# Altium PCB CORE_BOARD.PcbDoc (part 1 of 2)
Units mil, origin at the board's own origin, x right, y up, seen from the top; angles counter-clockwise.
Board outline 2283.74 x 2984.53 mil, 4 copper layers (Top Layer, PWR02, GND03, Bottom Layer), stack 23.756 mil thick; 79 components, 108 nets, 397 pads, 203 vias.
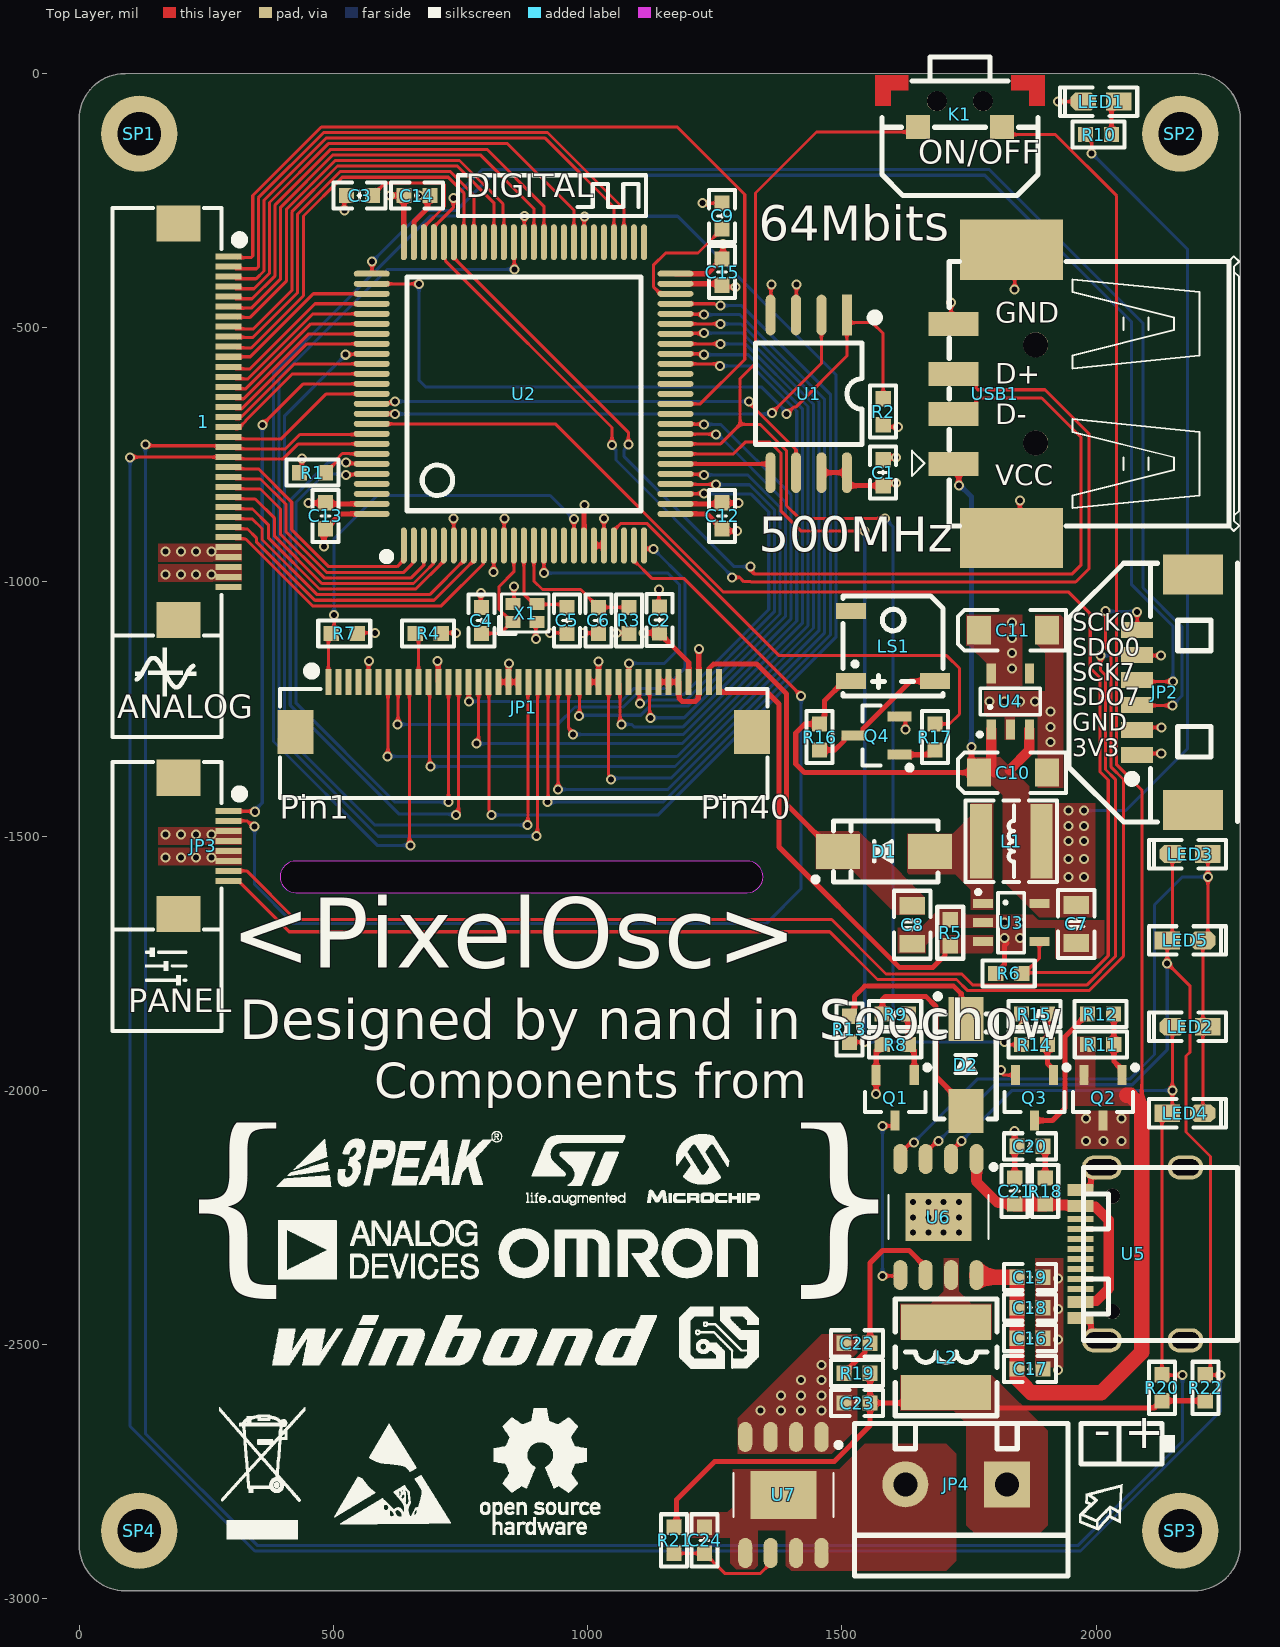
[diagram p0: Top Layer view]
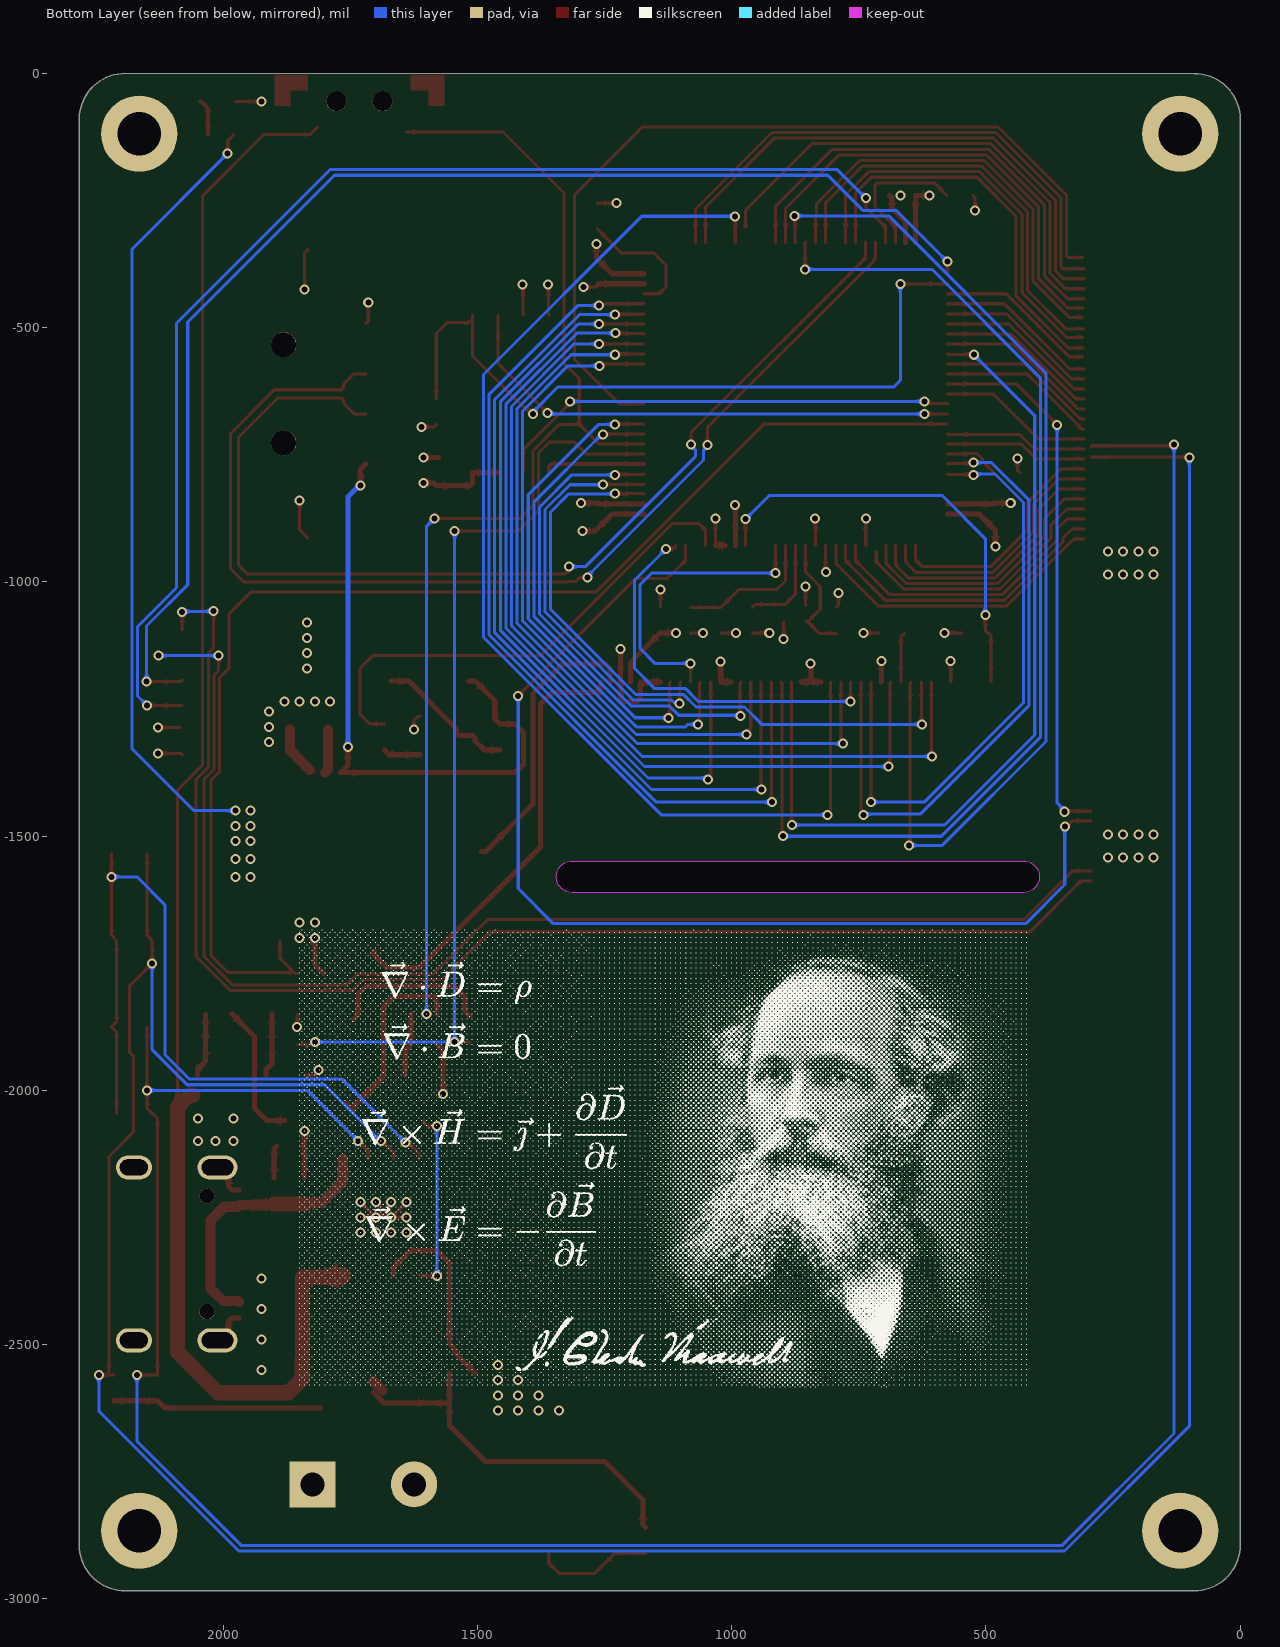
[diagram p1: Bottom Layer view, seen from below]
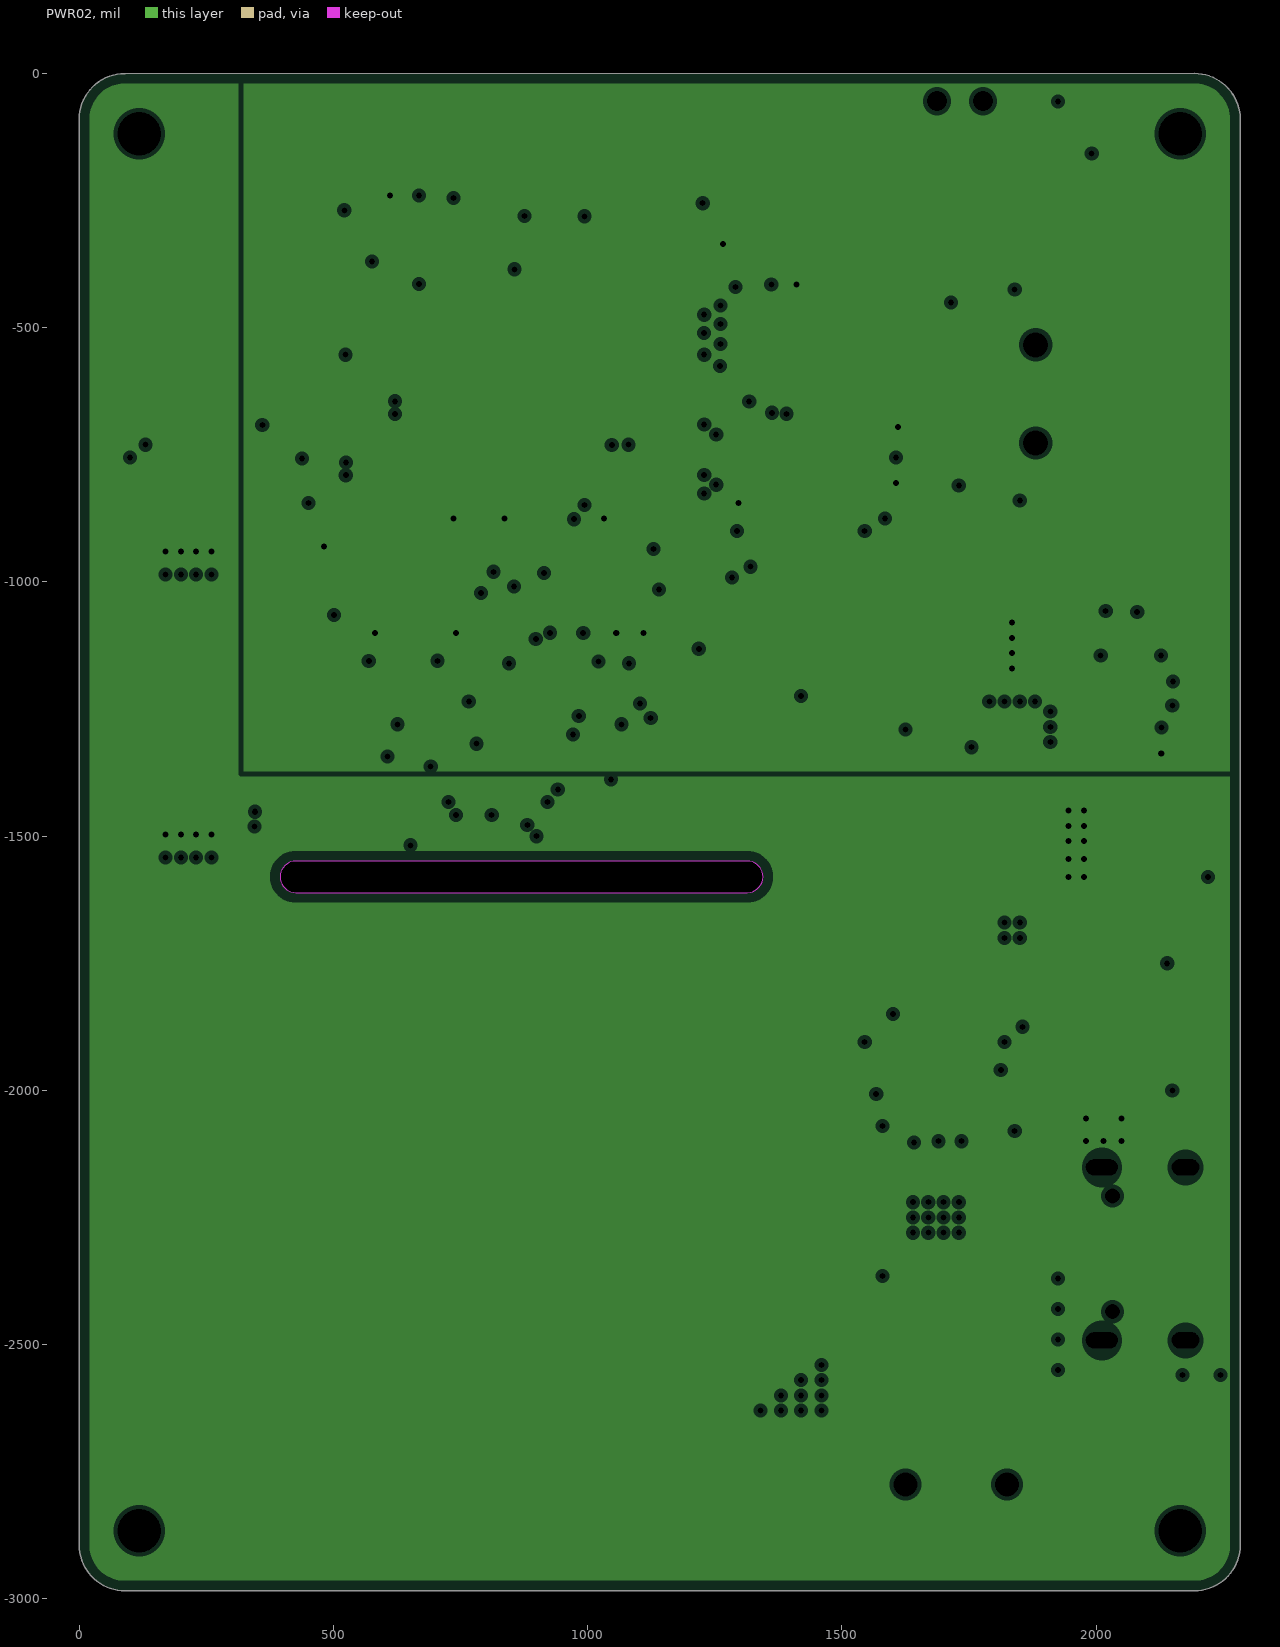
[diagram p2: PWR02, clearances drawn from the general rule]
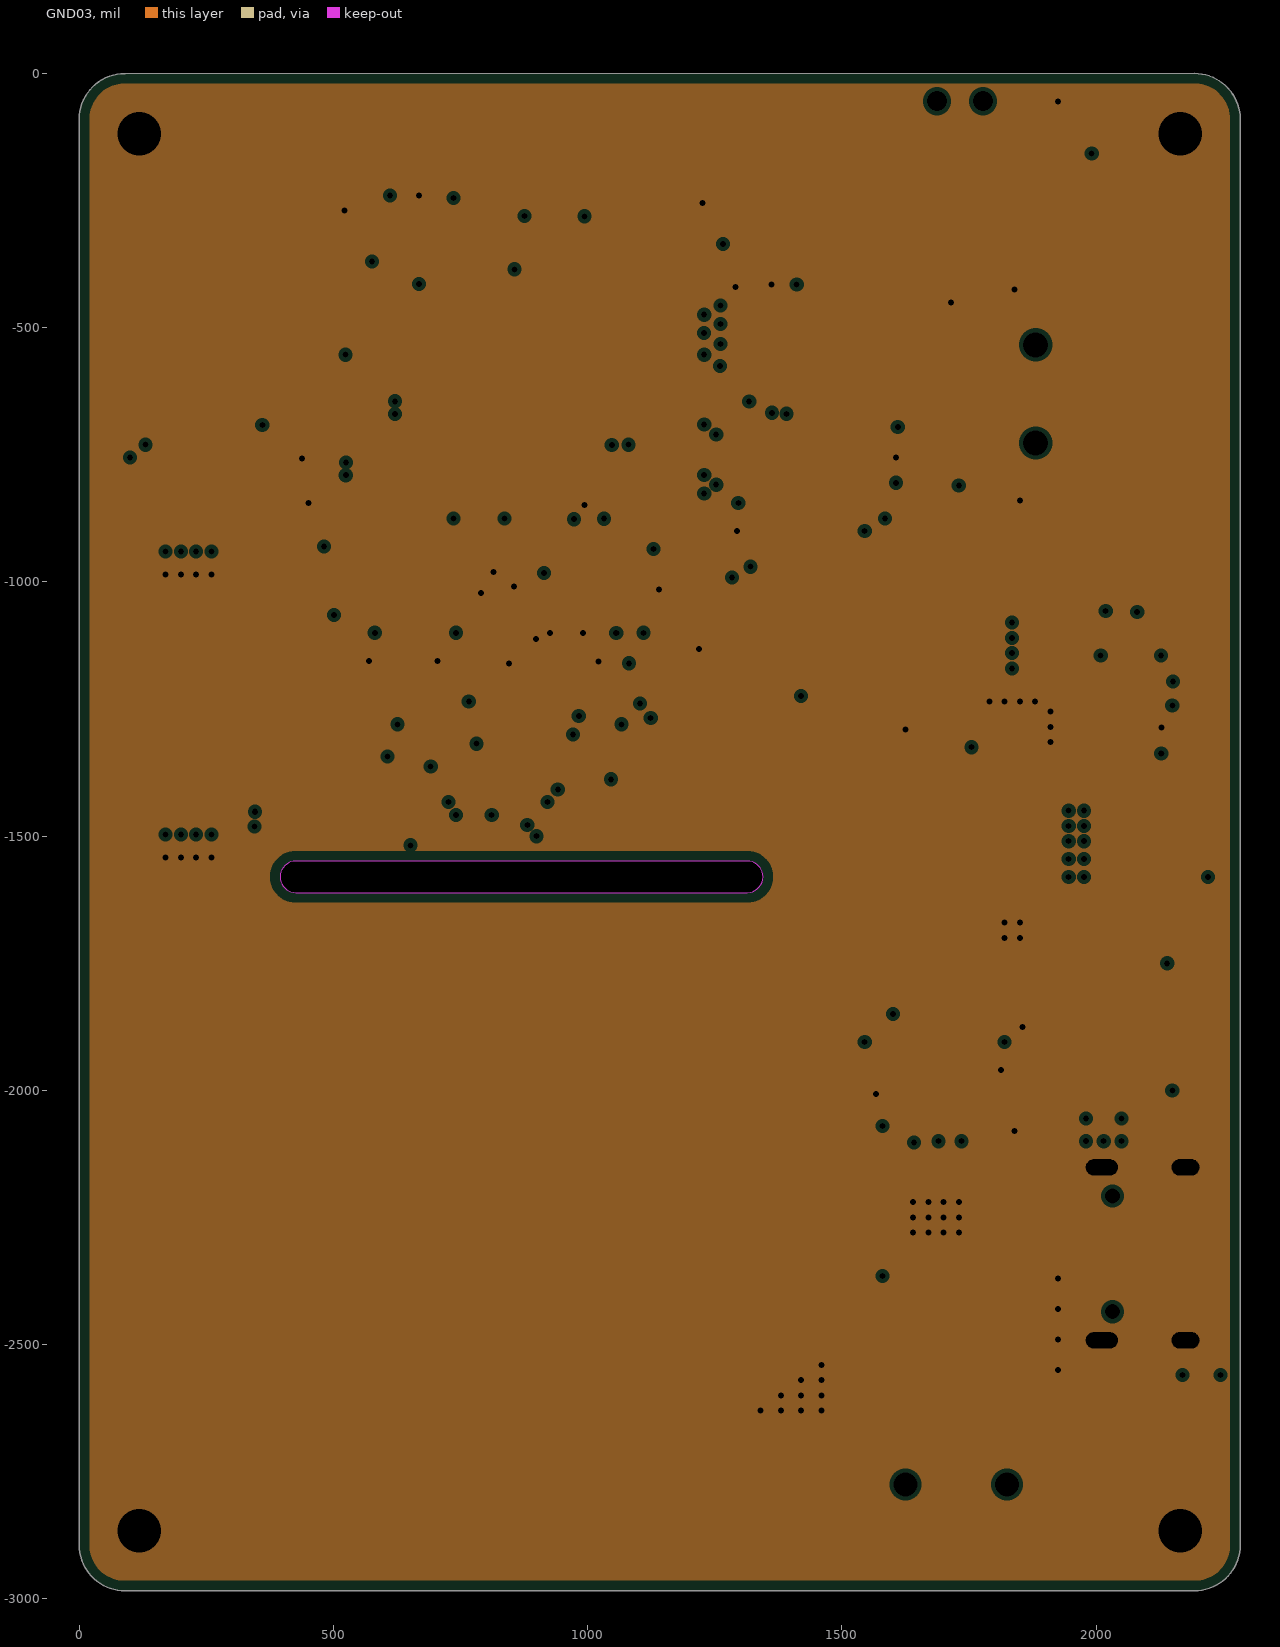
[diagram p3: GND03, clearances drawn from the general rule]

## Layer stack, top to bottom
Top Solder: solder mask 0.4, Solder Resist, Dk 3.5
Top Layer: signal copper 1.4
Dielectric 2: prepreg 2.8, PP-006, Dk 4.1
PWR02: plane copper 1.378, net (Multiple Nets)
Dielectric 1: dielectric 12.6, FR-4, Dk 4.8
GND03: plane copper 1.378, net DGND
Dielectric 3: prepreg 2.8, PP-006, Dk 4.1
Bottom Layer: signal copper 1.4
Bottom Solder: solder mask 0.4, Solder Resist, Dk 3.5

## Board outline
-0.14,-2894.25 ccw(c90,-2894.25) 90,-2984.39 2193.46,-2984.25 ccw(c2193.53,-2894.18) 2283.6,-2894.25 2283.46,-90 ccw(c2193.4,-89.93) 2193.46,0.14 90,0 ccw(c89.93,-90.07) -0.14,-90
cut-out: 395,-1580 ccw(c425.98,-1580) 425.98,-1610.98 1314.02,-1610.97 ccw(c1314.03,-1580) 1345,-1580 ccw(c1314.02,-1580) 1314.02,-1549.02 425.98,-1549.02 ccw(c425.98,-1580)

## Design rules (kind name [scope] priority, off if disabled: settings)
Clearance [All] p1: gap=5 ignorepadtopadclearanceinfootprint=FALSE
DiffPairsRouting [All] p1: maxlimit=15 minlimit=6 mostfreqgap=10 toplayer_minwidth=6 toplayer_maxwidth=15 toplayer_prefwidth=6 bottomlayer_minwidth=6 bottomlayer_maxwidth=15 bottomlayer_prefwidth=6 maxuncoupledlength=500
PlaneClearance [All] p1: clearance=8
PlaneConnect [All] p1: planeconnectstyle=Direct reliefexpansion=20 reliefentries=4 reliefconductorwidth=10 reliefairgap=10
PolygonConnect [All] p1: connectstyle=Direct reliefconductorwidth=10 reliefentries=4 polygonreliefangle="90 Angle" airgapwidth=10
RoomDefinition POWER_BANK_PART [InComponentClass('POWER_BANK_PART')] p1: confinementstyle=ConfineIn formatcopy=TRUE lockcomponents=FALSE outline 2332.75,-2606.5 3447.75,-2606.5 3447.75,-2251.5 2332.75,-2251.5
RoomDefinition DIGITAL_PART [InComponentClass('DIGITAL_PART')] p2: confinementstyle=ConfineIn formatcopy=TRUE lockcomponents=FALSE outline -5237.25,-4956.5 -3237.25,-4956.5 -3237.25,-3956.5 -5237.25,-3956.5
RoutingVias [All] p1: holewidth=11.81 width=19.68 viastyle="Through Hole" minholewidth=11.81 minwidth=19.68 maxholewidth=11.81 maxwidth=19.68
SolderMaskExpansion [All] p1: expansion=4 istentingtop=FALSE
Width [All] p1: maxlimit=50 minlimit=6 preferedwidth=6
27 further rules are at their usual default settings.

## Classes and differential pairs
component class POWER_BANK_PART: C16 C17 C18 C19 C20 C21 C22 C23 C24 JP4 L2 LED2 LED3 LED4 LED5 R18 R19 R20 R21 R22 U5 U6 U7
component class DIGITAL_PART: 1 C1 C2 C3 C4 C5 C6 C7 C8 C9 C10 C11 C12 C13 C14 C15 D1 D2 JP1 JP2 JP3 K1 L1 LED1 LS1 Q1 Q2 Q3 Q4 R1 R2 R3 R4 R5 R6 R7 R8 R9 R10 R11 R12 R13 R14 R15 R16 R17 SP1 SP2 SP3 SP4 U1 U2 U3 U4 USB1 X1
differential pair USB: +USB_P -USB_N

## Components (designator, comment, footprint, x,y, rotation, side; value= is the part's Value field where it differs from the comment)
1 "FPC1.0-34P" "FPC0.5 2H-WS-34P" 195,-685 r270 top
C1 "100nF" "C 0603_L" 1581.26,-785 r90 top
C2 "22uF" "C 0603_L" 1141.26,-1075 r90 top
C3 "2.2uF" "C 0603_L" 551.26,-240 r180 top
C4 "12pF" "C 0603_L" 791,-1076 r90 top
C5 "12pF" "C 0603_L" 959.34,-1075.63 r270 top
C6 "0.1uF" "C 0603_L" 1021.26,-1075.63 r90 top
C7 "22uF" "C 0805_L" 1961.26,-1672.59 r90 top
C8 "22uF" "C 0805_L" 1638.18,-1674.25 r270 top
C9 "2.2uF" "C 0603_L" 1264.34,-280 r270 top
C10 "10uF" "CD A(3216)" 1836.26,-1375 r0 top
C11 "47uF" "CD A(3216)" 1836.26,-1095 r0 top
C12 "100nF" "C 0603_L" 1264.34,-870 r90 top
C13 "100nF" "C 0603_L" 484.34,-870 r270 top
C14 "100nF" "C 0603_L" 664.34,-240 r180 top
C15 "100nF" "C 0603_L" 1264.33,-390.59 r90 top
C16 "22uF" "C 0603_L" 1870,-2487.52 r0 top
C17 "22uF" "C 0603_L" 1870.18,-2547.93 r0 top
C18 "22uF" "C 0603_L" 1870,-2427.52 r0 top
C19 "22uF" "C 0603_L" 1870,-2367.52 r0 top
C20 "10uF" "C 0603_L" 1870,-2110 r180 top
C21 "10uF" "C 0603_L" 1840,-2198.11 r90 top
C22 "22uF" "C 0603_L" 1530,-2497.5 r180 top
C23 "22uF" "C 0603_L" 1530,-2615 r180 top
C24 "0.1uF/16V" "C 0603_L" 1230,-2885 r90 top
D1 "SS34" SMA 1583.18,-1530 r180 top
D2 "SS34" SMA 1743.74,-1950 r90 top
JP1 "AT043TN24" "FPC0.5 2H-WS-40P" 874.05,-1295.16 r0 top
JP2 "HDR-1X6" "MX 1.25-WS-6P" 2190.75,-1217 r90 top
JP3 "FPC1.0-8P" "FPC0.5 2H-WS-8P" 195,-1519 r270 top
JP4 "HDR-1X2" KF301-5.0-2P 1625,-2775 r180 top
K1 "6x6x5" TACT-SWITCH-3*6*3.5MM-SMD 1732.28,-80 r180 top
L1 "22uH" NR4020 1833.18,-1510 r180 top
L2 "1uH" CD43 1705,-2525 r270 top
LED1 "红色" "LED 0603G" 2010,-55 r180 top
LED2 "红色" "LED 0603W" 2185,-1874.83 r180 top
LED3 "红色" "LED 0603W" 2185,-1535 r180 top
LED4 "红色" "LED 0603W" 2175,-2045.26 r0 top
LED5 "红色" "LED 0603W" 2175,-1705.43 r0 top
LS1 "BUZZER" BUZZER-5*5*2mm 1600.86,-1126.1 r0 top
Q1 "SI2302" SOT23-3L 1605,-2015 r180 top
Q2 "AO3401" SOT23-3L 2013.74,-2015 r180 top
Q3 "SI2302" SOT23-3L 1878.74,-2015 r180 top
Q4 "SS8050" SOT23-3N 1568.18,-1302.4 r90 top
R1 "4.99K" "R 0603_L" 458.75,-785 r0 top
R2 "10K" "R 0603_L" 1581.27,-665 r270 top
R3 "10K" "R 0603_L" 1081.26,-1075.64 r270 top
R4 "75" "R 0603_L" 686.26,-1101.23 r180 top
R5 "15" "R 0603_L" 1713.18,-1690 r270 top
R6 "4.99K" "R 0603_L" 1828.18,-1770 r0 top
R7 "4.99K" "R 0603_L" 521.26,-1101.23 r180 top
R8 "4.99K" "R 0603_L" 1605,-1910 r0 top
R9 "1K" "R 0603_L" 1605,-1850 r0 top
R10 "10K" "R 0603_L" 2005,-120 r180 top
R11 "47K" "R 0603_L" 2009.33,-1910 r180 top
R12 "1K" "R 0603_L" 2008.74,-1850 r0 top
R13 "75" "R 0603_L" 1515,-1880 r90 top
R14 "1K" "R 0603_L" 1878.74,-1910.01 r180 top
R15 "4.99K" "R 0603_L" 1878.74,-1850 r0 top
R16 "1K" "R 0603_L" 1456.26,-1305 r270 top
R17 "10K" "R 0603_L" 1683.18,-1305 r270 top
R18 "1K" "R 0603_L" 1900,-2198.11 r270 top
R19 "1K" "R 0603_L" 1530,-2556.24 r0 top
R20 "2.2K" "R 0603_L" 2129.59,-2585 r270 top
R21 "1K" "R 0603_L" 1170,-2885 r270 top
R22 "2.2K" "R 0603_L" 2215,-2585 r270 top
SP1 "M2铜柱" M2#1 159.85,-130 r0 top
SP2 "M2铜柱" M2#2 256.26,-45 r0 top
SP3 "M2铜柱" M2#3 2165.35,-2855 r0 top
SP4 "M2铜柱" M2#4 1959.8,-2839.8 r0 top
U1 "W25Q128" SOP8W_L 1434.85,-630 r270 top
U2 "STM32H750VBT6" "TQFP100 14x14_N" 874.34,-630 r0 top
U3 "CAT4139" SOT23-5L 1833.18,-1670 r270 top
U4 "SP6201-3.3" SOT23-5L 1831.26,-1235 r0 top
U5 "USB-C" USB-C-16 2072.69,-2321.65 r90 top
U6 "IP5306" SOP-8-G 1690,-2249.17 r270 top
U7 "XB8886A" SOP-8-G 1385,-2795.83 r270 top
USB1 "USB" USB-A/S_C 1881.25,-630 r90 top
X1 "32M" "OSC 2016-4P" 877,-1061.27 r0 top

## Footprints (in the part's own frame and the unit in brackets; to place one, negate y for a bottom-side part, rotate by r counter-clockwise, add the part's x,y. Pads: shape width x height; smd on the part's side, far side on the other; paste and mask are expansions set on the pad)
BUZZER-5*5*2mm [mm]
  rect 1.5x0.8 smd: 1(-2.1,-1.75) 2(2.1,-1.75) 3(-2.1,1.75)
  silkscreen extent -2.5,-2.5 2.5,2.5, body extent -2.6,-2.6 2.6,2.6, height 2
"C 0603_L" [mil] "无极性贴片电容"
  rect 30x30 smd: 1(-25.59,0) 2(25.59,0)
  silkscreen extent -51,-26 51,26, body extent -31,-16 31,16, height 32
"C 0805_L" [mil] "无极性贴片电容"
  rect 35x50 smd: 1(-37.41,0) 2(37.4,0)
  silkscreen extent -67,-36 67,36, body extent -39,-24 39,24, height 20
CD43 [mm] "4.5*4*3.2mm（长宽高）"
  rect 1.75x4.5 smd: 1(-1.75,0) 2(1.75,0)
  silkscreen extent -2.92,-2.54 2.92,2.54, body extent -2.21,-2 2.21,2, height 3.3
"CD A(3216)" [mm] "长3.2mm，宽1.6mm，厚1.6mm"
  rect 1.2x1.4 smd: 1(-1.7,0) 2(1.7,0)
  silkscreen extent -2.74,-1.02 2.67,1.02, body extent -1.6,-0.8 1.6,0.8, height 1.6
"FPC0.5 2H-WS-8P" [mm] "长：8.2mm，宽：5.2mm，高：2mm"
  rect 1.8x2.2 smd: 0(-3.4,0) 0(3.4,0)
  rect 0.3x1.3 smd: 1(-1.75,2.497) 2(-1.25,2.497) 3(-0.75,2.497) 4(-0.25,2.497) 5(0.25,2.497) 6(0.75,2.497) 7(1.25,2.497) 8(1.75,2.497)
  silkscreen extent -4.17,-3.3 4.17,3.23, body extent -4.1,-3.15 4.1,2.85, height 2
"FPC0.5 2H-WS-34P" [mm] "长：21.2mm，宽：5.2mm，高：2mm"
  rect 1.8x2.2 smd: 0(-9.9,0) 0(9.9,0)
  rect 0.3x1.3 smd: 1(-8.25,2.497) 2(-7.75,2.497) 3(-7.25,2.497) 4(-6.75,2.497) 5(-6.25,2.497) 6(-5.75,2.497) 7(-5.25,2.497) 8(-4.75,2.497) 9(-4.25,2.497) 10(-3.75,2.497) 11(-3.25,2.497) 12(-2.75,2.497) 13(-2.25,2.497) 14(-1.75,2.497) 15(-1.25,2.497) 16(-0.75,2.497) 17(-0.25,2.497) 18(0.25,2.497) 19(0.75,2.497) 20(1.25,2.497) 21(1.75,2.497) 22(2.25,2.497) 23(2.75,2.497) 24(3.25,2.497) 25(3.75,2.497) 26(4.25,2.497) 27(4.75,2.497) 28(5.25,2.497) 29(5.75,2.497) 30(6.25,2.497) 31(6.75,2.497) 32(7.25,2.497) 33(7.75,2.497) 34(8.25,2.497)
  silkscreen extent -10.68,-3.3 10.67,3.23, body extent -10.6,-3.15 10.6,2.85, height 2
"FPC0.5 2H-WS-40P" [mm] "长：24.2mm，宽：5.2mm，高：2mm"
  rect 1.8x2.2 smd: 0(-11.4,0) 0(11.4,0)
  rect 0.3x1.3 smd: 1(-9.75,2.497) 2(-9.25,2.497) 3(-8.75,2.497) 4(-8.25,2.497) 5(-7.75,2.497) 6(-7.25,2.497) 7(-6.75,2.497) 8(-6.25,2.497) 9(-5.75,2.497) 10(-5.25,2.497) 11(-4.75,2.497) 12(-4.25,2.497) 13(-3.75,2.497) 14(-3.25,2.497) 15(-2.75,2.497) 16(-2.25,2.497) 17(-1.75,2.497) 18(-1.25,2.497) 19(-0.75,2.497) 20(-0.25,2.497) 21(0.25,2.497) 22(0.75,2.497) 23(1.25,2.497) 24(1.75,2.497) 25(2.25,2.497) 26(2.75,2.497) 27(3.25,2.497) 28(3.75,2.497) 29(4.25,2.497) 30(4.75,2.497) 31(5.25,2.497) 32(5.75,2.497) 33(6.25,2.497) 34(6.75,2.497) 35(7.25,2.497) 36(7.75,2.497) 37(8.25,2.497) 38(8.75,2.497) 39(9.25,2.497) 40(9.75,2.497)
  silkscreen extent -12.17,-3.3 12.17,3.23, body extent -12.1,-3.15 12.1,2.85, height 2
KF301-5.0-2P [mm] "可拼接端子/6A"
  rect 2.3x2.3 hole 1.2: 1(-5.08,0)
  round 2.3 hole 1.2: 2(0,0)
  silkscreen extent -8.13,-3.05 2.54,4.57, body extent -7.95,-3 2.55,4.6, height 10.05
"LED 0603G" [mil] "绿色0603LED"
  rect 50x35 smd: 1(-35,0.26)
  oct 50x35 smd: 2(35,0.26)
  silkscreen extent -71,-28 81,28, body extent -31,-16 32,16, height 18
"LED 0603W" [mil] "白色0603LED"
  rect 50x35 smd: 1(-35,0.26)
  oct 50x35 smd: 2(35,0.26)
  silkscreen extent -71,-28 81,28, body extent -31,-16 32,16, height 18
M2#1 [mm] "M3螺丝孔，孔125Mil，焊盘200Mil"
  round 3.81 hole 2.175: 1(-1.06,0.302)
M2#2 [mm] "M3螺丝孔，孔125Mil，焊盘200Mil"
  round 3.81 hole 2.175: 1(48.491,-1.857)
M2#3 [mm] "M3螺丝孔，孔125Mil，焊盘200Mil"
  round 3.81 hole 2.175: 1(0,-0.283)
M2#4 [mm] "M3螺丝孔，孔125Mil，焊盘200Mil"
  round 3.81 hole 2.175: 1(-46.779,-0.669)
"MX 1.25-WS-6P" [mm] "长：12.65mm，宽：4.2mm，高：3.4mm"
  rect 2x3 smd: 0(-5.882,0) 0(5.882,0)
  rect 0.8x1.6 smd: 1(-3.139,2.811) 2(-1.889,2.811) 3(-0.639,2.811) 4(0.611,2.811) 5(1.861,2.811) 6(3.111,2.811)
  silkscreen extent -6.48,-2.23 6.45,3.25, body extent -6.32,-2.1 6.32,3.09, height 3.4
NR4020 [mm] "4.0mm*4.0mm*2.0mm(长*宽*高）"
  rect 1.1x3.7 smd: 1(-1.5,0) 2(1.5,0)
  silkscreen extent -2.29,-2.03 2.29,2.03, body extent -2,-2 2,2, height 2.1
"OSC 2016-4P" [mil]
  rect 29.53x23.62 smd: 1(-23.5,-17.5) 2(23.5,-17.5) 3(23.5,17.5) 4(-23.5,17.5)
  silkscreen extent -51,-41 46,38, body extent -39,-31 39,31, height 16
"R 0603_L" [mil] "1/10W贴片电阻"
  rect 30x30 smd: 1(-25.59,0) 2(25.59,0)
  silkscreen extent -51,-26 51,26, body extent -31,-16 32,16, height 16
SMA [mm] "4.5x2.6*2.2mm（长宽高，不包括引脚）"
  rect 2.2x1.75 smd: 1(-2.3,0) 2(2.3,0)
  silkscreen extent -2.7,-1.52 3.56,1.52, body extent -2.53,-1.3 2.58,1.3, height 2.15
SOP8W_L [mil] "5.3*8.3*1.8mm（长宽高）"
  rect 80x19.68 smd: 1(-155,75)
  oval 80x19.68 smd: 2(-155,25) 3(-155,-25) 4(-155,-75) 5(155,-75) 6(155,-25) 7(155,25) 8(155,75)
  silkscreen extent -156,-105 100,136, body extent -155,-104 155,104, height 75
SOP-8-G [mm] "SOIC, 8-Leads, Body 4.9x3.9mm, Pitc"
  rect 2.4x3.3 smd: 0(0,0)
  oval 1.5x0.7 smd: 1(-2.9,1.905) 2(-2.9,0.635) 3(-2.9,-0.635) 4(-2.9,-1.905) 5(2.9,-1.905) 6(2.9,-0.635) 7(2.9,0.635) 8(2.9,1.905)
  silkscreen extent -2.62,-2.5 1.1,2.88, body extent -2.45,-3 3.55,1.9, height 1.7
SOT23-3L [mm] "3x1.3x1mm(长宽高)"
  rect 0.45x1 smd: 1(-0.95,-1.143) 2(0.95,-1.143) 3(0,1.125)
  silkscreen extent -1.73,-1.65 1.5,0.7, body extent -1.5,-1.2 1.5,1.2, height 1.05
SOT23-3N [mm] "3x1.3x1mm(长宽高)"
  rect 0.5x1.2 smd: 1(-0.95,-1.143) 2(0.95,-1.143) 3(0,1.143)
  silkscreen extent -1.72,-1.78 1.5,0.7, body extent -1.5,-1.2 1.5,1.2, height 1.05
SOT23-5L [mm] "3x1.6x1.1mm(长宽高)"
  rect 0.45x1 smd: 1(-0.95,-1.4) 2(0,-1.4) 3(0.95,-1.4) 4(0.95,1.4) 5(-0.95,1.4)
  silkscreen extent -1.6,-1.73 1.5,0.66, body extent -1.5,-1.4 1.5,1.4, height 1.15
TACT-SWITCH-3*6*3.5MM-SMD [mm]
  rect 1.2x1.2 smd: 1(2.1,0.65) 2(-2.1,0.65)
  round 1 hole 1 unplated: ""(-1.15,-0.65) ""(1.15,-0.65)
  Top Layer region: 4.226,-0.426 3.464,-0.426 3.464,-1.188 2.575,-1.188 2.575,-1.95 4.226,-1.95
  Top Layer region: -4.226,-0.426 -3.464,-0.426 -3.464,-1.188 -2.575,-1.188 -2.575,-1.95 -4.226,-1.95
  silkscreen extent -3.9,-2.85 3.9,0.65, body extent -3.9,-2.84 3.9,0.76, height 3.5
"TQFP100 14x14_N" [mm] "100脚，体宽：14x14mm, 脚距：0.5mm"
  oval 0.3x1.8 smd: 1(-5.995,-7.575) 2(-5.495,-7.575) 3(-4.995,-7.575) 4(-4.495,-7.575) 5(-3.995,-7.575) 6(-3.495,-7.575) 7(-2.995,-7.575) 8(-2.495,-7.575) 9(-1.995,-7.575) 10(-1.495,-7.575) 11(-0.995,-7.575) 12(-0.495,-7.575) 13(0.005,-7.575) 14(0.505,-7.575) 15(1.005,-7.575) 16(1.505,-7.575) 17(2.005,-7.575) 18(2.505,-7.575) 19(3.005,-7.575) 20(3.505,-7.575) 21(4.005,-7.575) 22(4.505,-7.575) 23(5.005,-7.575) 24(5.505,-7.575) 25(6.005,-7.575) 51(6.005,7.575) 52(5.505,7.575) 53(5.005,7.575) 54(4.505,7.575) 55(4.005,7.575) 56(3.505,7.575) 57(3.005,7.575) 58(2.505,7.575) 59(2.005,7.575) 60(1.505,7.575) 61(1.005,7.575) 62(0.505,7.575) 63(0.005,7.575) 64(-0.495,7.575) 65(-0.995,7.575) 66(-1.495,7.575) 67(-1.995,7.575) 68(-2.495,7.575) 69(-2.995,7.575) 70(-3.495,7.575) 71(-3.995,7.575) 72(-4.495,7.575) 73(-4.995,7.575) 74(-5.495,7.575) 75(-5.995,7.575)
  oval 1.8x0.3 smd: 26(7.58,-6) 27(7.58,-5.5) 28(7.58,-5) 29(7.58,-4.5) 30(7.58,-4) 31(7.58,-3.5) 32(7.58,-3) 33(7.58,-2.5) 34(7.58,-2) 35(7.58,-1.5) 36(7.58,-1) 37(7.58,-0.5) 38(7.58,0) 39(7.58,0.5) 40(7.58,1) 41(7.58,1.5) 42(7.58,2) 43(7.58,2.5) 44(7.58,3) 45(7.58,3.5) 46(7.58,4) 47(7.58,4.5) 48(7.58,5) 49(7.58,5.5) 50(7.58,6) 76(-7.595,6) 77(-7.595,5.5) 78(-7.595,5) 79(-7.595,4.5) 80(-7.595,4) 81(-7.595,3.5) 82(-7.595,3) 83(-7.595,2.5) 84(-7.595,2) 85(-7.595,1.5) 86(-7.595,1) 87(-7.595,0.5) 88(-7.595,0) 89(-7.595,-0.5) 90(-7.595,-1) 91(-7.595,-1.5) 92(-7.595,-2) 93(-7.595,-2.5) 94(-7.595,-3) 95(-7.595,-3.5) 96(-7.595,-4) 97(-7.595,-4.5) 98(-7.595,-5) 99(-7.595,-5.5) 100(-7.595,-6)
  silkscreen extent -6.98,-8.25 5.85,5.84, body extent -8,-8 8.01,8, height 1.05
USB-A/S_C [mm] "A型贴片母头，"
  rect 1.2x2.5 smd: 1(-3.5,4.1) 2(-1,4.1) 3(1,4.1) 4(3.5,4.1)
  rect 3x5.15 smd: 4(-7.2,1.2) 4(7.2,1.2)
  round 1.25 hole 1.25 unplated: 7(-2.45,0) 8(2.45,0)
  silkscreen extent -6.85,-10.17 6.86,6.19, body extent -7.75,-9.9 7.75,4.8, height 7.4
USB-C-16 [mm]
  rect 0.6x1.3 smd: 1(-3.2,2.623) 2(-2.4,2.623) 11(2.4,2.623) 12(3.2,2.623)
  rect 0.3x1.3 smd: 3(1.75,2.623) 4(1.25,2.624) 5(0.75,2.623) 6(0.25,2.623) 7(-0.25,2.623) 8(-0.75,2.623) 9(-1.25,2.623) 10(-1.75,2.624)
  oval 1.2x2 hole 0.8 slot 1.6 at 90 deg: 13(-4.32,1.556) 14(4.32,1.556)
  oval 1.2x1.8 hole 0.8 slot 1.4 at 90 deg: 15(-4.32,-2.624) 16(4.32,-2.624)
  round 0.75 hole 0.75 unplated: ""(-2.89,1.026) ""(2.89,1.026)
  silkscreen extent -4.32,-5.23 4.32,2.47, body extent -4.47,-5.27 4.47,2.63, height 3.26

## Part data
1: library part FPC-34P, "FPC连接器", BOM名称=FPC连接器, 学习资源=www.ooocke.com, 版权归属=源创客
C1 C2 C3 C4 C5 C6 C7 C8 C9 C12 C13 C14 C15 C16 C17 C18 C19 C20 C21 C22 C23 C24: library part C, "无极性贴片电容", BOM名称=无极性贴片电容, 学习资源=www.ooocke.com, 版权归属=源创客
C10 C11: library part C-CD, "贴片钽电容", BOM名称=贴片钽电容, 学习资源=www.ooocke.com, 版权归属=源创客
D1 D2: "肖特基二极管", BOM名称=肖特基二极管, 学习资源=www.ooocke.com, 属性=40V/2A, 版权归属=源创客
JP1: "LED显示屏"
JP2: library part "Header 6", "6P接插件", BOM名称=6P接插件, 学习资源=www.ooocke.com, 版权归属=源创客
JP3: library part FPC-8P, "FPC连接器", BOM名称=FPC连接器, 学习资源=www.ooocke.com, 版权归属=源创客
JP4: library part "Header 2", "2P接插件", BOM名称=2P接插件, 学习资源=www.ooocke.com, 版权归属=源创客
K1: library part KEY-SMD-6x6, "贴片6x6轻触开关", BOM名称=贴片6x6轻触开关, 学习资源=www.ooocke.com, 版权归属=源创客
L1: library part L, "小功率贴片电感", BOM名称=小功率贴片电感, 学习资源=www.ooocke.com, 版权归属=源创客
L2: library part L-CD, "贴片功率电感", BOM名称=功率电感, 学习资源=www.ooocke.com, 版权归属=源创客
LED1 LED2 LED3 LED4 LED5: library part LED-SMD, "贴片LED", BOM名称=贴片LED, 学习资源=www.ooocke.com, 版权归属=源创客
LS1: "蜂鸣器", BOM名称=蜂鸣器, 学习资源=www.ooocke.com, 版权归属=源创客
Q1 Q3: "场效应管"
Q2: "P沟道MOS管"
Q4: library part 8050-SMD, "高频放大-NPN型", BOM名称=高频放大-NPN型, 学习资源=www.ooocke.com, 属性="40V 1.5A 1W 100MHZ", 版权归属=源创客
R1 R2 R3 R4 R5 R6 R7 R8 R9 R10 R11 R12 R13 R14 R15 R16 R17 R18 R19 R20 R21 R22: library part R, "贴片电阻", BOM名称=贴片电阻, 学习资源=www.ooocke.com, 版权归属=源创客
U1: "外置Flash", BOM名称=外置Flash, 学习资源=www.ooocke.com, 版权归属=源创客
U2: library part STM32H750VBT6_T, "微型控制器"
U3: "LED驱动"
U4: "线性稳压器"
U5: library part USB-C-16P, "USB-C型母接口", BOM名称=USB-C型母接口, 学习资源=www.ooocke.com, 版权归属=源创客
U6: "电源芯片"
U7: "锂电池保护芯片"
USB1: library part USB-A/S, "USB-A型母接口", BOM名称=USB-A型母接口, 学习资源=www.ooocke.com, 版权归属=源创客
X1: library part XTAL-4P, "4脚无源晶振", BOM名称=4脚无源晶振, 学习资源=www.ooocke.com, 版权归属=源创客
SP1 SP2 SP3 SP4: BOM名称=铜柱, 学习资源=www.ooocke.com, 版权归属=源创客

## Via types
v1: diameter 19.68, hole 11.81, Top Layer to Bottom Layer, tented both sides, 203 vias

## Nets (pads, with @x,y where several pads share a name; then routed paths per layer and width w, separated by ;. In a path a pad name is that pad's centre, name@x,y a point inside that pad or via, vN(x,y) a via of type N, cw(c..) or ccw(c..) an arc to the next point about the centre after c; other vN are vias at no path point)
3V3: C1.1 C2.1 C11.1 C12.2 C13.2 C14.2 C15.2 JP1.37 JP2.1 R2.2 R3.2 R4.1 R7.1 U1.3 U1.7 U1.8 U2.6 U2.11 U2.20 U2.21 U2.27 U2.50 U2.75 U2.100 U4.5 | length 1248.9
  Top Layer w6: R7.1@546.85,-1101.22 548.08,-1100 v1(581.26,-1100) ; R4.1@711.86,-1100 v1(741.26,-1100) ; v1(736.26,-875) 736.51,-875.25 736.51,-927.97 U2.6@736.75,-928.21 ; U2.11@835.18,-928.21 835.72,-927.67 835.72,-875.54 v1(836.26,-875) ; v1(1031.84,-875.58) 1031.93,-875.67 1031.93,-928.12 U2.21@1032.03,-928.21 ; v1(1056.26,-1100.63) 1080.08,-1100.63 R3.2@1081.26,-1101.81 ; U1.3@1409.84,-475 1410.55,-474.29 1410.55,-415.71 v1(1411.26,-415) ; R2.2@1581.26,-690.59 1585.68,-695 v1(1610,-695) ; JP2.1@2080.09,-1340.57 2083.67,-1337 2083.9,-1337.23 v1(2128.23,-1337.23)
  Top Layer w10: v1(481.26,-930) 481.26,-898.66 513.7,-866.22 U2.100@575.34,-866.22 ; v1(611.26,-240) 637.91,-240 638.33,-240.42 U2.75@638.33,-331.79 ; U2.20@1012.34,-928.21 U2.21@1032.03,-928.21 ; v1(1110,-1100) 1140.67,-1100 1198.85,-1158.18 JP1.37@1198.85,-1196.85 ; U2.27@1172.76,-846.54 1262.22,-846.54 1263.75,-845 v1(1296.26,-845) ; U2.50@1172.76,-393.78 1235.56,-393.78 1266.26,-363.08 v1(1266.26,-335.43) ; U1.7@1459.84,-785 U1.8@1509.84,-785 1509.84,-806.12 1514.32,-810.59 C1.1@1581.26,-810.59 1586.86,-805 v1(1606.26,-805)
  other v1: 1835,-1170 1835,-1140 1835,-1110 1835,-1080
5V: 1.30 1.31 C7.2 C10.1 JP3.3 JP3.4 L1.1 LS1.1 Q2.3 R10.2 R16.1 U3.5 U4.1 U4.3 USB1.1 | length 2958.3
  Top Layer w6: R10.2@1979.41,-120 1991.41,-132 v1(1991.41,-156.92)
  Top Layer w10: LS1.1@1518.18,-1195 1504.4,-1195 1466.26,-1233.15 1466.26,-1269.41 R16.1@1456.26,-1279.41 1426.85,-1279.41 1409.34,-1296.92 1409.34,-1358.08 1426.26,-1375 C10.1@1769.33,-1375 1755,-1360.67 v1(1755,-1325) ; USB1.1@1719.83,-767.8 1730,-777.96 v1(1730,-810)
  Top Layer w20: U4.1@1793.86,-1290.12 1793.86,-1368.86 1800,-1375 ; 1830,-1370 1868.66,-1331.34 U4.3@1868.66,-1290.12
  Bottom Layer w6: v1(1976.26,-1450) 1976.6,-1449.66 2058.34,-1449.66 2179.84,-1328.16 2179.84,-345.35 v1(1991.41,-156.92)
  Bottom Layer w10: v1(1730,-810) 1732.62,-810 1755,-832.38 v1(1755,-1325)
  other v1: 1980,-2100 2015,-2100 2050,-2100 1980,-2055 2050,-2055 1946.26,-1580 1976.26,-1580 1946.26,-1545 1976.26,-1545 1946.26,-1510 1976.26,-1510 170,-1497.09 200,-1497.09 230,-1497.09 260,-1497.09 1946.26,-1480 1976.26,-1480 1946.26,-1450 170,-940 200,-940 230,-940 260,-940
B+: C23.1 JP4.1 L2.2 R19.2 R20.2 R21.1 R22.2 | length 1195.1
  Top Layer w10: R21.1@1170,-2859.41 1175,-2854.4 1175,-2805 1250,-2730 1485,-2730 1555.59,-2659.41 C23.1@1555.59,-2615 ; R19.2@1555.59,-2556.25 C23.1@1555.59,-2615 ; L2.2@1705,-2593.9 1683.9,-2615 C23.1@1555.59,-2615 ; 1810,-2625 2115.18,-2625 R20.2@2129.59,-2610.59 R22.2@2215,-2610.59
  Top Layer w20: L2.2@1686.97,-2590.27 L2.2@1705,-2572.24
B-: C24.2 JP4.2 U7.0 U7.5 U7.7 U7.8
BEEP_CTR: R17.1 U2.22 | length 979.1
  Top Layer w6: U2.22@1051.71,-928.21 1051.71,-898.68 1065.62,-884.78 1116.53,-884.78 1376.75,-1145 1706.26,-1145 1731.26,-1170 1731.26,-1260 1711.85,-1279.41 R17.1@1683.18,-1279.41
CH0_AT: U2.56
CH1_AT: U2.55
DGND: 1.32 1.33 C1.2 C2.2 C3.2 C4.2 C5.2 C6.1 C7.1 C8.2 C9.1 C10.2 C11.2 C12.1 C13.1 C14.1 C15.1 C16.2 C17.2 C18.2 C19.2 C20.2 C21.2 C22.2 C23.2 JP1.5 JP1.12 JP1.18 JP1.19 JP1.20 JP1.27 JP1.28 JP1.34 JP1.35 JP1.36 JP1.38 JP2.2 JP3.5 JP3.6 LED1.2 Q1.2 Q3.2 Q4.2 R1.1 R5.1 R6.1 R8.1 R15.1 SP1.1 SP2.1 SP3.1 SP4.1 U1.4 U2.10 U2.19 U2.26 U2.49 U2.74 U2.99 U3.2 U4.2 U5.1 U5.12 U5.13 U5.14 U5.15 U5.16 U6.0 U7.1 U7.2 U7.3 U7.4 USB1.4 X1.2 X1.4 | length 2501.6
  Top Layer w6: R1.1@433.15,-785 438,-780.15 v1(438,-757) ; v1(521.26,-269) 521.26,-244.41 C3.2@525.67,-240 ; JP1.5@568.93,-1196.85 569.23,-1196.55 569.23,-1155.77 v1(569.53,-1155.47) ; v1(790,-1022) 790,-1045.7 C4.2@794.34,-1050.04 ; v1(815,-980) 815.25,-979.75 815.25,-928.46 U2.10@815.49,-928.21 ; X1.4@854,-1045.92 855,-1044.92 v1(855,-1009) ; X1.2@897.67,-1079.75 898,-1080.08 v1(898,-1112) ; v1(926.26,-1100) 958.12,-1100 C5.2@959.33,-1101.22 ; v1(991.26,-1100.63) 1020.67,-1100.63 C6.1@1021.26,-1101.22 ; v1(1140,-1015) 1140,-1048.15 C2.2@1141.26,-1049.41 ; v1(1226.26,-255) 1263.74,-255 C9.1@1264.34,-254.41 ; C15.1@1264.34,-416.18 1268.27,-420.12 v1(1291.14,-420.12) ; U1.4@1359.84,-475 1360.55,-474.29 1360.55,-415.71 v1(1361.26,-415) ; Q4.2@1613.18,-1265 1618.16,-1265 1625,-1271.84 v1(1625,-1290) ; v1(1640,-2250) U6.0@1669.17,-2250 ; v1(1640,-2220) U6.0@1669.17,-2249.17 ; v1(1670,-2250) 1670.83,-2249.17 U6.0@1690,-2249.17 ; v1(1670,-2220) 1670,-2229.17 U6.0@1690,-2249.17 ; v1(1700,-2250) U6.0@1699.17,-2249.17 ; v1(1700,-2220) 1690,-2230 U6.0@1690,-2249.17 ; v1(1715,-450) 1715,-487.37 USB1.4@1719.83,-492.2 ; v1(1730,-2250) 1729.17,-2249.17 U6.0@1699.17,-2249.17 ; v1(1730,-2220) 1705.41,-2244.59 1694.59,-2244.59 U6.0@1690,-2249.17 ; v1(1812.67,-1960.16) 1812.67,-1963.86 1817.02,-1968.21 1817.02,-1970 Q3.2@1841.34,-1970 ; USB1.4@1834.01,-913.46 1850,-897.47 v1(1850,-840) ; USB1.4@1834.01,-346.54 1840,-352.53 v1(1840,-425) ; R15.1@1853.15,-1850 1855,-1851.86 v1(1855,-1875) ; v1(1925,-55) 1925.13,-55.13 1974.87,-55.13 LED1.2@1975,-55.26 ; JP2.2@2085.46,-1286 v1(2129,-1286) ; U6.0@1690,-2249.17 U6.0@1699.17,-2249.17
  Top Layer w10: v1(451.26,-845) 483.74,-845 C13.1@484.33,-844.41 486.46,-846.54 U2.99@575.34,-846.54 ; U2.74@658.01,-331.79 658.36,-331.44 658.36,-291.64 685,-265 685,-244.93 C14.1@689.93,-240 ; v1(705,-1155) 705.86,-1155.86 705.86,-1195.99 JP1.12@706.73,-1196.85 ; JP1.18@824.84,-1196.85 JP1.19@844.52,-1196.85 ; v1(845,-1160) 844.52,-1160.48 JP1.19@844.52,-1196.85 ; JP1.20@864.21,-1196.85 JP1.19@844.52,-1196.85 ; U2.19@992.66,-928.21 993.01,-927.87 993.01,-849.62 v1(993.83,-848.79) ; JP1.27@1002,-1196.85 JP1.28@1021.69,-1196.85 v1(1021.69,-1156.69) v1@1020,-1155 ; JP1.34@1139.8,-1196.85 JP1.35@1159.48,-1196.85 JP1.36@1179.17,-1196.85 1180.07,-1197.76 1180.07,-1229.14 1185.93,-1235 1211.77,-1235 1217.63,-1229.14 1217.63,-1197.76 1218.54,-1196.85 v1(1218.54,-1131.46) ; U2.26@1172.76,-866.22 1234.97,-866.22 C12.1@1264.34,-895.59 1268.75,-900 v1(1293.85,-900) ; U2.49@1172.76,-413.46 1261.62,-413.46 C15.1@1264.34,-416.18 ; v1(1567.6,-2007.4) Q1.2@1567.6,-1970 1567.6,-1921.81 R8.1@1579.41,-1910 ; C1.2@1576.85,-755 v1(1606.26,-755) ; R6.1@1802.59,-1770 1820,-1752.59 1820,-1715 1825,-1710 ; C21.2@1840,-2172.52 1840,-2114.41 C20.2@1844.41,-2110 1840,-2105.58 v1(1840,-2080) ; U5.1@1969.41,-2447.64 1983.19,-2447.64 1990,-2454.45 1990,-2474.53 2007.21,-2491.73 U5.13@2011.43,-2491.73 ; U5.12@1969.41,-2195.67 1983.19,-2195.67 1990,-2188.86 1990,-2168.78 2007.21,-2151.57 U5.14@2011.43,-2151.57
  other v1: 1340,-2630 1380,-2630 1420,-2630 1460,-2630 1380,-2600 1420,-2600 1460,-2600 1420,-2570 1460,-2570 1925,-2550 1460,-2540 1925,-2490 1925,-2430 1925,-2370 1640,-2280 1670,-2280 1700,-2280 1730,-2280 1820,-1700 1850,-1700 1820,-1670 1850,-1670 170,-1542.09 200,-1542.09 230,-1542.09 260,-1542.09 1910,-1315 1910,-1285 1910,-1255 1790,-1235 1820,-1235 1850,-1235 1880,-1235 170,-985 200,-985 230,-985 260,-985 668.59,-240
H7_SWCLK: JP2.4 U2.76 | length 2521
  Top Layer w6: U2.76@575.34,-393.78 576.14,-392.97 v1(576.14,-369.88) ; JP2.4@2080.09,-1192.94 2083.16,-1196 v1(2151,-1196)
  Bottom Layer w6: v1(576.14,-369.88) 677.03,-269 742.26,-269 811.26,-200 1781.26,-200 2070,-488.74 2070,-1005.7 2151,-1086.7 v1(2151,-1196)
H7_SWDIO: JP2.3 U2.72 | length 2467.8
  Top Layer w6: U2.72@697.38,-331.79 697.38,-302.26 735.8,-263.84 735.8,-245.46 v1(736.26,-245) ; JP2.3@2080.94,-1243 v1(2150,-1243)
  Bottom Layer w6: v1(736.26,-245) 792.26,-189 1790.26,-189 2092.26,-491 2092.26,-1011.26 2168.84,-1087.84 2168.84,-1224.16 v1(2150,-1243)
I2C4_SCL: U2.59
I2C4_SDA: U2.60
KEY_PWR: D2.1 K1.1 R9.1 U2.33 | length 2772.9
  Top Layer w6: U2.33@1172.76,-728.42 1261.57,-728.42 1300,-690 ; v1(1585,-875) 1416,-875 1391,-850 1391,-741.94 1339.06,-690 1300,-690 ; K1.1@1640,-115 1450,-115 1330,-235 1330,-570 1300,-600 1300,-690
  Top Layer w10: R9.1@1579.41,-1850 1580,-1849.41 1580,-1820.86 1585.86,-1815 1665,-1815 1685,-1835 1685,-1972.95 1743.74,-2031.69 D2.1@1743.74,-2040.55 D2.1@1758.7,-2025.59
  Bottom Layer w6: v1(1585,-875) 1585,-875.39 1600.74,-891.14 v1(1600.74,-1850)
LCD_B3: JP1.17 U2.57 | length 2277.3
  Top Layer w6: JP1.17@805.15,-1196.85 805.71,-1197.4 805.71,-1448.89 811.26,-1454.45 v1(811.26,-1458.15) ; U2.57@992.66,-331.79 993.13,-331.32 993.13,-281.21 v1(993.6,-280.73)
  Bottom Layer w6: v1(811.26,-1458.15) 1138.85,-1458.15 1488.26,-1108.74 1488.26,-592 1176.99,-280.73 v1(993.6,-280.73)
LCD_B4: JP1.16 U2.42 | length 1578.4
  Top Layer w6: v1(781.26,-1318.15) 781.26,-1314.45 785.47,-1310.24 JP1.16@785.47,-1196.85 ; U2.42@1172.76,-551.26 1227.49,-551.26 v1(1229.34,-553.1)
  Bottom Layer w6: v1(781.26,-1318.15) 1185.51,-1318.15 1422.26,-1081.4 1422.26,-659.34 1316.02,-553.1 v1(1229.34,-553.1)
LCD_B5: JP1.15 U2.25 | length 774.7
  Top Layer w6: JP1.15@765.78,-1196.85 766.02,-1197.09 766.02,-1234.76 v1(766.26,-1235) ; U2.25@1110.77,-928.21 1110.77,-932.32 1113.45,-935 v1(1129.34,-935)
  Bottom Layer w6: v1(766.26,-1235) 1065.7,-1235 1090.7,-1210 1151.26,-1210 1191.26,-1170 1191.26,-996.92 v1(1129.34,-935)
LCD_B6: JP1.14 U2.95 | length 1274
  Top Layer w6: v1(524.87,-765.32) 526.24,-766.68 574.22,-766.68 U2.95@575.34,-767.8 ; v1(741.26,-1458.15) 741.26,-1454.45 746.1,-1449.61 JP1.14@746.1,-1196.85
  Bottom Layer w6: v1(524.87,-765.32) 489.02,-765.32 415,-839.34 415,-1242.45 629.36,-1456.81 739.92,-1456.81 v1(741.26,-1458.15)
LCD_B7: JP1.13 U2.96 | length 1186.3
  Top Layer w6: v1(524.34,-790) 525.74,-788.59 574.22,-788.59 U2.96@575.34,-787.48 ; v1(726.26,-1433.15) 726.34,-1433.07 726.34,-1196.93 JP1.13@726.41,-1196.85
  Bottom Layer w6: v1(524.34,-790) 521.82,-787.48 482.41,-787.48 426,-843.89 426,-1237.89 621.26,-1433.15 v1(726.26,-1433.15)
LCD_BL: R6.2 U2.91 U3.4 | length 2512.7
  Top Layer w6: U2.91@575.34,-689.05 936.36,-689.05 1267.31,-1020 1946.26,-1020 1988.63,-1062.37 1988.63,-1169.37 2007.6,-1188.34 2007.6,-1373.31 2024,-1389.71 2024,-1735 1990.46,-1768.54 R6.2@1860.23,-1768.54 ; R6.2@1853.77,-1770 1858.77,-1770 1888.3,-1740.47 U3.4@1888.3,-1707.4
LCD_CLK: JP1.11 U2.44 | length 1804.2
  Top Layer w6: JP1.11@687.04,-1196.85 689.15,-1198.96 689.15,-1361.04 v1(691.26,-1363.15) ; U2.44@1172.76,-511.89 1173.43,-511.22 1228.23,-511.22 v1(1228.89,-510.56)
  Bottom Layer w6: v1(691.26,-1363.15) 1171.63,-1363.15 1444.26,-1090.51 1444.26,-650.23 1304.59,-510.56 v1(1228.89,-510.56)
LCD_DE: JP1.7 U2.43 | length 1823.4
  Top Layer w6: v1(606.26,-1343.15) 607.28,-1342.13 607.28,-1197.87 JP1.7@608.3,-1196.85 ; U2.43@1172.76,-531.57 U2.43@1172.76,-531.57 1260.95,-531.61 v1(1260.99,-531.65)
  Bottom Layer w6: v1(606.26,-1343.15) 1176.07,-1343.15 1433.26,-1085.96 1433.26,-654.78 1310.13,-531.65 v1(1260.99,-531.65)
LCD_G2: JP1.26 U2.30 | length 990.1
  Top Layer w6: JP1.26@982.32,-1196.85 984.19,-1198.72 984.19,-1262.18 v1(982.52,-1263.84) ; U2.30@1172.76,-787.48 1173.68,-788.4 1228.41,-788.4 v1(1229.34,-789.32)
  Bottom Layer w6: v1(982.52,-1263.84) 984.21,-1262.16 1104.57,-1262.16 1122.41,-1244.31 1197.12,-1244.31 1378.26,-1063.18 1378.26,-853.11 1314.47,-789.32 v1(1229.34,-789.32)
LCD_G3: JP1.25 U2.41 | length 1329.1
  Top Layer w6: JP1.25@962.63,-1196.85 962.63,-1287.67 971.26,-1296.3 v1(971.26,-1300) ; U2.41@1172.76,-570.94 1252.87,-570.94 1256.93,-575 v1(1260.63,-575)
  Bottom Layer w6: v1(971.26,-1300) 1188.11,-1300 1411.26,-1076.85 1411.26,-663.9 1322.36,-575 v1(1260.63,-575)
LCD_G4: JP1.24 U2.46 | length 1686.6
  Top Layer w6: v1(941.26,-1408.15) 942.1,-1407.31 942.1,-1197.69 JP1.24@942.95,-1196.85 ; U2.46@1172.76,-472.52 1173.68,-473.44 1228.41,-473.44 v1(1229.34,-474.36)
  Bottom Layer w6: v1(941.26,-1408.15) 1157.74,-1408.15 1466.26,-1099.63 1466.26,-641.12 1299.51,-474.36 v1(1229.34,-474.36)